# KiCad board traffic_paradise.kicad_pcb (continued)
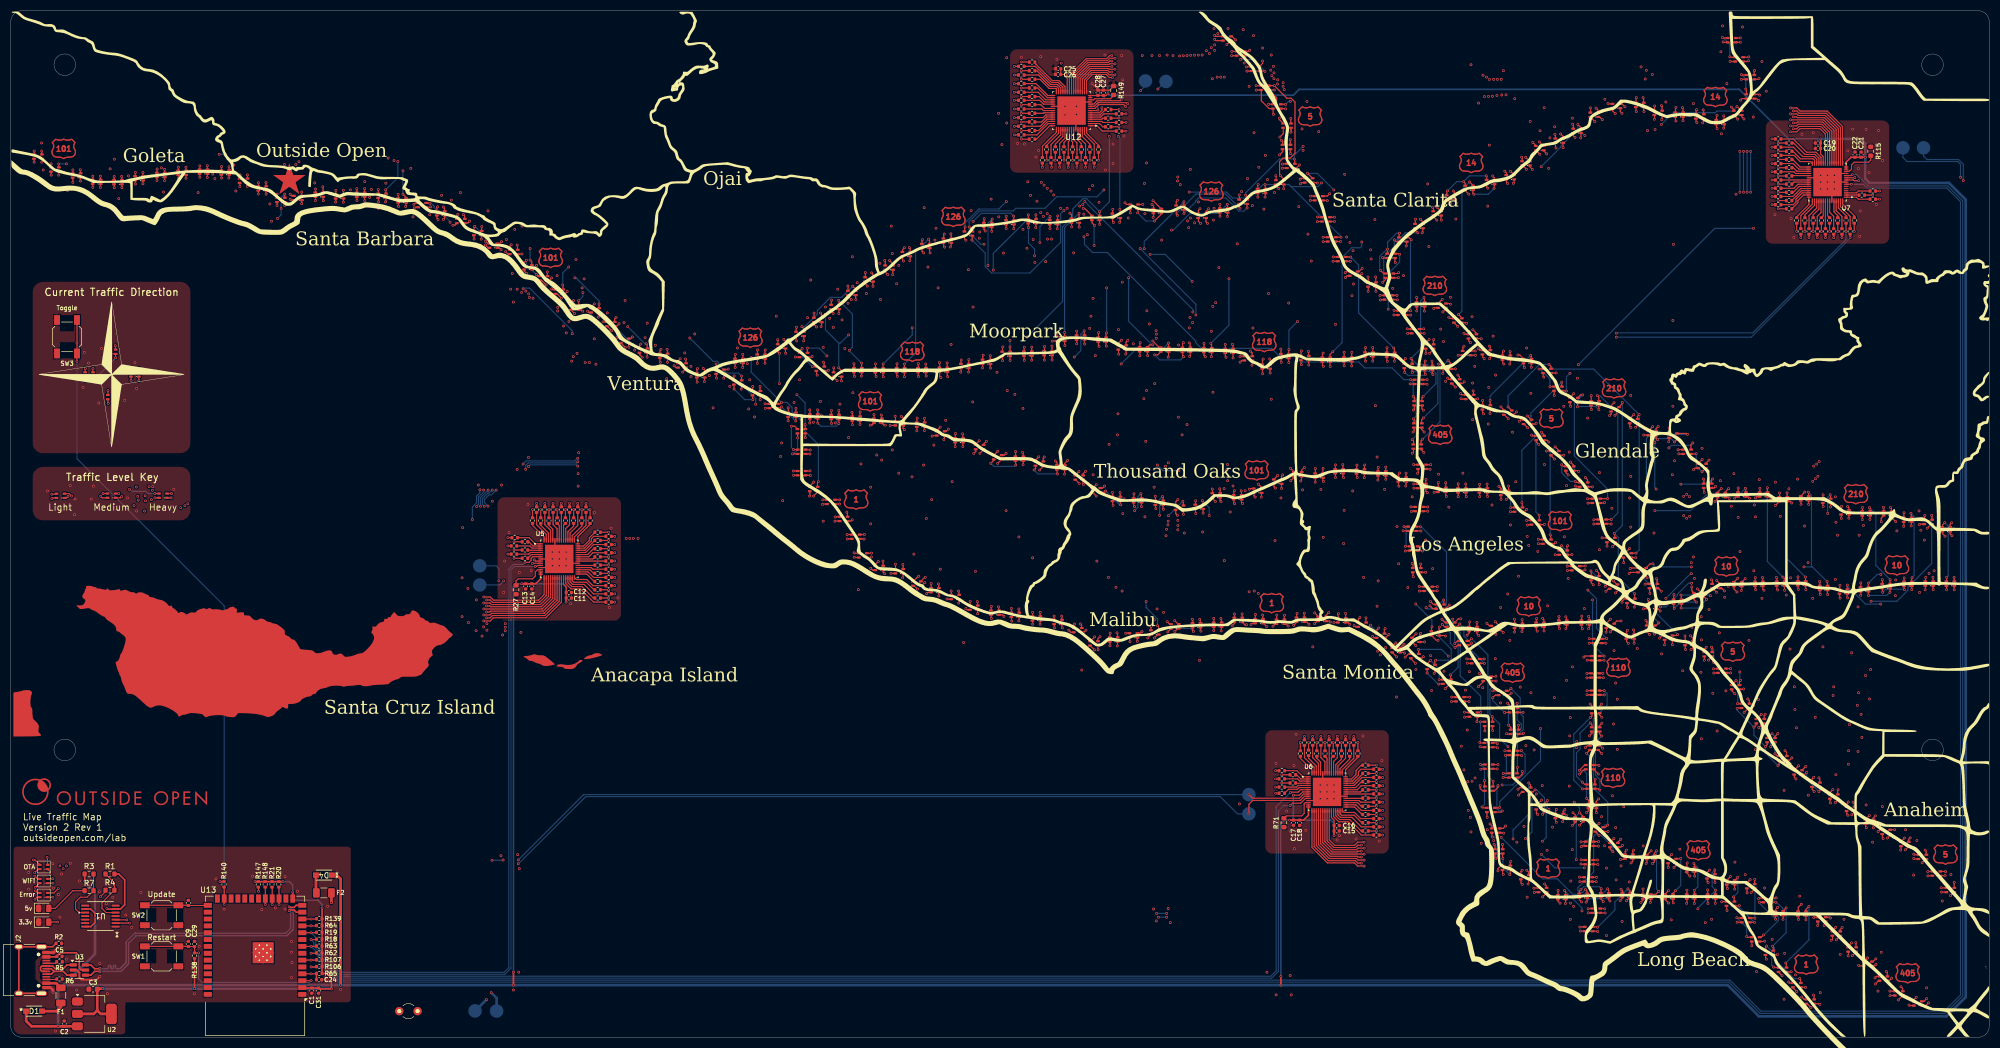
[diagram p0: board, top side]
## Routing (per net, layer and track width the routed paths; a pad name or vN(x,y) marks a point on that pad's centre or on a via; arc(x,y) is an arc through that point) (continued)
Net-(LED73-GK): length 138.4
  Top w0.203: 186.14,106.84 186.14,106.08 v1(186.18,106.05) ; v1(181.55,106.38) 182.13,106.95 182.13,107.1 ; 163.89,113.4 162.92,113.4 v1(162.9,113.38) ; v1(167.85,112.4) 167.85,112.4 167.85,113.14 ; v1(193.9,104.4) 193.81,104.49 193.81,105.22 ; v1(189.58,105.15) 189.85,105.43 189.85,105.93 ; v1(174.95,109.48) 174.97,109.49 174.97,110.25 ; 178.78,108.98 178.78,108.58 v1(178.4,108.2) ; v1(170.68,111.43) 170.77,111.52 171.56,111.52 ; R35.2 v1(105.79,97.79)
  In1.Cu w0.203: v1(174.95,109.48) 176.23,108.2 v1(178.4,108.2) 180.23,106.38 v1(181.55,106.38) ; v1(170.68,111.43) 168.83,111.43 v1(167.85,112.4) 167.48,112.03 164.25,112.03 v1(162.9,113.38)
  In2.Cu w0.203: v1(170.68,111.43) 172.62,109.48 v1(174.95,109.48) ; v1(105.79,97.79) 105.79,99.06 103.8,101.05 103.8,124.45 106.33,126.98 110.43,126.98 118.38,119.03 132.45,119.03 138.74,112.74 162.27,112.74 v1(162.9,113.38) ; v1(189.58,105.15) 187.08,105.15 v1(186.18,106.05)
  Bottom w0.203: v1(189.58,105.15) 190.33,104.4 v1(193.9,104.4) ; v1(181.55,106.38) 182.12,105.8 185.93,105.8 v1(186.18,106.05)
Net-(LED73-RK): length 138.3
  Top w0.203: 165.29,113.4 165.29,112.83 v1(165.53,112.6) ; 176.37,110.25 176.37,109.48 v1(176.38,109.48) ; 195.21,105.22 195.21,104.39 v1(195.2,104.38) ; v1(187.53,106.1) 187.54,106.12 187.54,106.84 ; v1(182.83,106.38) 183.53,107.08 183.53,107.1 ; v1(190.6,105.12) 191.25,105.78 191.25,105.93 ; v1(169.25,112.45) 169.25,112.45 169.25,113.14 ; v1(172.85,110.78) 172.96,110.89 172.96,111.52 ; R34.2 v1(107.32,97.79) ; 180.18,108.98 180.18,108.88 v1(179.53,108.23)
  In1.Cu w0.203: v1(179.53,108.23) 180.98,108.23 v1(182.83,106.38) ; v1(172.85,110.78) 171.18,112.45 v1(169.25,112.45) 168.76,112.94 165.86,112.94 v1(165.53,112.6)
  In2.Cu w0.203: v1(172.85,110.78) 175.08,110.78 v1(176.38,109.48) 178.28,109.48 v1(179.53,108.23) ; v1(195.2,104.38) 194.45,105.12 v1(190.6,105.12) 189.62,106.1 v1(187.53,106.1) 187.03,106.6 183.05,106.6 v1(182.83,106.38) ; v1(165.53,112.6) 164.94,112.01 138.44,112.01 132.15,118.3 118.08,118.3 110.13,126.25 106.8,126.25 104.52,123.97 104.52,101.69 107.32,98.9 v1(107.32,97.79)
Net-(LED82-BK): length 96.5
  Top w0.203: v1(177.73,80.78) 177.71,80.76 177.71,80.01 ; v1(185.35,79.48) 185.38,79.45 185.38,78.69 ; v1(189.28,78.75) 189.29,78.73 189.29,78.03 ; v1(168.2,85.45) 168.12,85.45 167.14,84.48 ; 163.89,86.76 163.89,87.66 v1(163.88,87.68) ; v1(181.65,79.85) 181.62,79.82 181.62,79.09 ; 170.5,83.26 170.5,84.1 v1(170.5,84.1) ; 193.31,77.37 193.31,78.02 v1(193.28,78.05) ; 111.25,91.32 v1(111.89,91.32) ; v1(174.2,82.7) 174.25,82.65 174.25,81.99
  In1.Cu w0.203: v1(163.88,87.68) 164.96,86.59 167.06,86.59 v1(168.2,85.45) 168.52,85.77 169.69,85.77 170.5,84.96 v1(170.5,84.1) ; v1(174.2,82.7) 176.12,80.78 v1(177.73,80.78) ; v1(181.65,79.85) 182.28,79.22 185.09,79.22 v1(185.35,79.48) 186.08,78.75 v1(189.28,78.75)
  In2.Cu w0.203: v1(111.89,91.32) 112.48,90.72 161.33,90.72 163.88,88.18 v1(163.88,87.68) ; v1(181.65,79.85) 178.65,79.85 v1(177.73,80.78) ; v1(170.5,84.1) 171.9,82.7 v1(174.2,82.7) ; v1(189.28,78.75) 189.31,78.75 190,78.05 v1(193.28,78.05)
Net-(LED82-GK): length 99.1
  Top w0.203: v1(185.43,77.12) 185.38,77.17 185.38,77.89 ; 167.14,83.68 167.35,83.68 v1(167.95,83.08) ; 170.5,82.46 169.91,82.46 v1(169.68,82.23) ; 174.25,81.19 173.46,81.19 v1(173.43,81.23) ; 189.29,77.23 189.29,76.58 v1(189.3,76.58) ; 193.31,76.57 193.31,75.92 v1(193.35,75.88) ; 163.89,85.96 163.06,85.96 v1(163.05,85.98) ; 181.62,78.29 181.62,77.65 v1(181.65,77.62) ; R38.2 v1(110.74,90.56) ; v1(176.93,79.45) 177.17,79.21 177.71,79.21
  In1.Cu w0.203: v1(169.68,82.23) 168.83,83.08 v1(167.95,83.08) 165.95,83.08 v1(163.05,85.98) ; v1(176.93,79.45) 175.2,79.45 v1(173.43,81.23)
  In2.Cu w0.203: v1(169.68,82.23) 170.68,81.23 v1(173.43,81.23) ; v1(176.93,79.45) 178.75,77.62 v1(181.65,77.62) 182.15,77.12 v1(185.43,77.12) 185.98,76.58 v1(189.3,76.58) 190,75.88 v1(193.35,75.88) ; v1(163.05,85.98) 163.05,88.49 161.18,90.36 112.14,90.36 111.95,90.56 v1(110.74,90.56)
Net-(LED82-RK): length 96.7
  Top w0.203: 186.78,77.89 186.78,77.21 v1(186.75,77.18) ; v1(171.93,81.78) 171.9,81.8 171.9,82.46 ; 190.69,77.23 190.69,76.57 v1(190.68,76.55) ; 175.66,81.19 175.66,80.53 v1(175.6,80.48) ; v1(165.2,85.15) 165.29,85.24 165.29,85.96 ; 168.54,83.68 168.75,83.68 v1(169.33,84.25) ; v1(179.1,78.5) 179.11,78.51 179.11,79.21 ; 111.25,89.79 v1(111.89,89.79) ; v1(194.8,75.88) 194.71,75.97 194.71,76.57 ; 183.02,78.29 183.68,78.29 v1(183.98,78)
  In1.Cu w0.203: v1(183.98,78) 185.93,78 v1(186.75,77.18) ; v1(165.2,85.15) 166.1,84.25 v1(169.33,84.25) 169.45,84.25 v1(171.93,81.78) 174.3,81.78 v1(175.6,80.48) 176,80.07 177.53,80.07 v1(179.1,78.5)
  In2.Cu w0.203: v1(186.75,77.18) 189.85,77.18 190.47,76.55 v1(190.68,76.55) 194.12,76.55 v1(194.8,75.88) ; v1(165.2,85.15) 160.35,85.15 157.05,88.45 155.8,88.45 154.25,90 112.09,90 v1(111.89,89.79) ; v1(183.98,78) 183.48,78.5 v1(179.1,78.5)
Net-(LED91-BK): length 92.8
  Top w0.203: 228.56,126.24 227.79,126.24 v1(227.7,126.15) ; 225,127.61 225,128.37 v1(224.98,128.4) ; v1(211.56,129.05) 212.75,127.86 213.07,127.86 ; 217.08,127.81 217.08,128.58 v1(217.23,128.72) ; v1(232,125.7) 231.86,125.56 231.86,124.71 ; v1(239.08,127.2) 239.03,127.15 239.03,126.29 ; v1(221.05,128.6) 221.04,128.59 221.04,127.76 ; v1(235.28,127.55) 235.32,127.51 235.32,126.64 ; 209.16,127.91 209.16,128.68 v1(209.23,128.75) ; R167.2 v1(194.3,161.25)
  In1.Cu w0.203: 211.5,128.99 211.26,128.75 v1(209.23,128.75) ; 211.5,128.99 213.93,128.99 214.12,129.18 216.77,129.18 v1(217.23,128.72) ; 211.5,128.99 v1(211.56,129.05) ; v1(235.28,127.55) 233.85,127.55 v1(232,125.7) ; v1(194.47,153.65) 194.47,153.1 194.73,152.84 194.73,150.25 196.06,148.91 199.25,148.91 v1(199.42,148.75)
  In2.Cu w0.203: 224.98,128.05 221.6,128.05 v1(221.05,128.6) 220.59,128.14 217.81,128.14 v1(217.23,128.72) ; 224.98,128.05 225.8,128.05 v1(227.7,126.15) 231.55,126.15 v1(232,125.7) ; 224.98,128.05 v1(224.98,128.4) ; v1(199.42,148.75) 199.71,148.45 210.53,148.45 212.34,146.64 212.34,131.87 211.41,130.94 211.41,129.2 v1(211.56,129.05) ; v1(194.3,161.25) 195.61,159.94 195.61,154.97 194.47,153.83 v1(194.47,153.65) ; v1(235.28,127.55) 235.89,126.94 238.81,126.94 v1(239.08,127.2)
Net-(LED91-GK): length 102.4
  Top w0.203: v1(227.73,125.12) 228.04,125.44 228.56,125.44 ; v1(217.25,126.12) 217.08,126.3 217.08,127.01 ; v1(209.15,126.3) 209.16,126.3 209.16,127.11 ; 231.86,123.91 231.86,123.04 v1(231.93,122.98) ; v1(211.9,126.48) 212.48,126.48 213.07,127.06 ; v1(225.12,126.03) 225,126.15 225,126.81 ; v1(239.08,124.65) 239.03,124.7 239.03,125.49 ; 235.32,125.84 235.32,125.13 v1(235.35,125.1) ; 221.04,126.96 221.04,126.36 v1(221.28,126.12) ; R166.2 v1(193.5,162.55)
  In1.Cu w0.203: v1(211.9,126.48) 211.49,126.89 209.74,126.89 v1(209.15,126.3) ; v1(192.8,147.94) 191.8,148.94 191.8,152.45 v1(192,152.65) ; v1(239.08,124.65) 238.93,124.5 235.95,124.5 v1(235.35,125.1) 234.05,125.1 v1(231.93,122.98) 229.88,122.98 v1(227.73,125.12) 226.03,125.12 v1(225.12,126.03) 224.69,125.59 221.81,125.59 v1(221.28,126.12) 220.81,125.66 217.72,125.66 v1(217.25,126.12)
  In2.Cu w0.203: v1(192,152.65) 192,152.86 193.09,153.95 194,153.95 195.25,155.2 195.25,159.58 193.5,161.33 v1(193.5,162.55) ; v1(192.8,147.94) 192.89,147.85 210.62,147.85 211.98,146.49 211.98,132.02 211.05,131.09 211.05,127.33 v1(211.9,126.48)
  Bottom w0.203: v1(211.9,126.48) 212.84,125.54 216.66,125.54 v1(217.25,126.12)
Net-(LED91-RK): length 100.1
  Top w0.203: v1(226.43,125.9) 226.4,125.92 226.4,126.81 ; v1(214.4,126.05) 214.47,126.12 214.47,127.06 ; 218.48,127.01 218.48,126.3 v1(218.38,126.2) ; v1(229.93,124.55) 229.96,124.59 229.96,125.44 ; v1(210.6,126.33) 210.56,126.37 210.56,127.11 ; 192.8,162.03 v1(192.8,161.25) ; v1(236.75,125.05) 236.72,125.08 236.72,125.84 ; 233.26,123.91 233.26,123.14 v1(233.3,123.1) ; v1(222.4,126.15) 222.44,126.19 222.44,126.96 ; 240.43,125.49 240.43,124.62 v1(240.45,124.6)
  In1.Cu w0.203: v1(191.29,152.15) 191.44,152 191.44,148.56 v1(192.06,147.94) ; v1(210.6,126.33) 210.96,125.96 214.31,125.96 v1(214.4,126.05) 215.02,126.67 217.91,126.67 v1(218.38,126.2) 218.81,126.64 221.91,126.64 v1(222.4,126.15) 222.81,126.56 225.77,126.56 v1(226.43,125.9) 227.19,126.66 227.91,126.66 229.93,124.65 v1(229.93,124.55)
  In2.Cu w0.203: v1(210.6,126.33) 210.6,131.15 211.62,132.17 211.62,146.34 210.6,147.35 193.09,147.35 193.01,147.43 192.57,147.43 v1(192.06,147.94) ; v1(240.45,124.6) 239.84,125.21 236.91,125.21 v1(236.75,125.05) 234.8,123.1 v1(233.3,123.1) 231.85,124.55 v1(229.93,124.55) ; v1(192.8,161.25) 194.88,159.17 194.88,155.35 193.89,154.35 192.98,154.35 191.29,152.66 v1(191.29,152.15)
Net-(LED100-BK): length 137.9
  Top w0.203: 222.62,100.84 222.62,101.56 v1(222.58,101.6) ; v1(197.88,104.88) 197.22,104.22 197.22,104.14 ; v1(204.08,100.98) 204.13,100.92 204.13,100.18 ; v1(201.08,102.4) 200.48,101.8 200.42,101.8 ; 212.05,99.46 212.05,100.25 v1(212.03,100.28) ; 226.58,100.48 226.58,101.2 v1(226.68,101.3) ; 219.47,98.7 219.47,99.39 v1(219.5,99.43) ; v1(216.2,99.65) 215.81,99.26 215.81,98.55 ; R42.2 v1(110.74,93.6) ; 208.04,99.92 208.04,100.69 v1(208.08,100.73)
  In1.Cu w0.203: v1(216.2,99.65) 215.83,99.28 212.89,99.28 212.03,100.15 v1(212.03,100.28) 211.94,100.19 208.61,100.19 v1(208.08,100.73) 207.76,100.41 204.64,100.41 v1(204.08,100.98) 204.08,101.51 202.9,102.68 201.36,102.68 v1(201.08,102.4) ; v1(219.5,99.43) 221.68,101.6 v1(222.58,101.6) 223.18,102.21 225.65,102.21 226.56,101.3 v1(226.68,101.3)
  In2.Cu w0.203: 197.41,103.16 197.41,102.17 187.06,91.81 113.64,91.81 111.85,93.6 v1(110.74,93.6) ; 197.41,103.16 197.41,104.41 v1(197.88,104.88) ; 197.41,103.16 197.41,103.16 200.31,103.16 v1(201.08,102.4) ; v1(216.2,99.65) 216.42,99.87 219.05,99.87 v1(219.5,99.43)
Net-(LED100-GK): length 133.9
  Top w0.203: v1(201.08,100.3) 200.42,100.96 200.42,101 ; 219.47,97.9 219.47,97.13 v1(219.53,97.08) ; 197.22,103.34 197.24,103.34 v1(197.93,102.65) ; 215.81,97.75 215.81,97.04 v1(216.1,96.75) ; 226.58,99.68 226.58,99.02 v1(226.73,98.88) ; 212.05,98.66 212.05,98.05 v1(212.12,97.98) ; 204.13,99.38 204.13,98.65 v1(204.2,98.58) ; v1(223.15,99.3) 222.62,99.83 222.62,100.04 ; 208.04,99.12 208.04,98.46 v1(208.18,98.33) ; 111.25,92.84 v1(111.89,92.84)
  In1.Cu w0.203: v1(226.73,98.88) 225.81,99.79 223.64,99.79 v1(223.15,99.3) 222.79,98.94 221.9,98.94 220.04,97.08 v1(219.53,97.08) ; v1(212.12,97.98) 212.84,97.26 215.59,97.26 v1(216.1,96.75) ; v1(197.93,102.65) 197.93,102.47 200.09,100.3 v1(201.08,100.3)
  In2.Cu w0.203: v1(197.93,102.65) 197.93,102.16 187.21,91.45 113.28,91.45 v1(111.89,92.84) ; v1(219.53,97.08) 218.81,96.37 216.48,96.37 v1(216.1,96.75) ; v1(212.12,97.98) 211.96,97.81 208.69,97.81 v1(208.18,98.33) 208,98.15 204.62,98.15 v1(204.2,98.58) 202.8,98.58 v1(201.08,100.3)
Net-(LED100-RK): length 136.3
  Top w0.203: v1(205.62,98.68) 205.53,98.77 205.53,99.38 ; v1(202.83,101.25) 202.58,101 201.82,101 ; 213.45,98.66 213.45,97.92 v1(213.53,97.85) ; v1(228.2,98.93) 227.98,99.15 227.98,99.68 ; v1(220.88,97.12) 220.87,97.13 220.87,97.9 ; 217.21,97.75 217.21,96.94 v1(217.23,96.93) ; v1(224.2,99.28) 224.02,99.46 224.02,100.04 ; v1(198.7,102.43) 198.62,102.51 198.62,103.34 ; R40.2 v1(110.74,92.08) ; 209.44,99.12 209.44,98.36 v1(209.45,98.35)
  In1.Cu w0.203: v1(228.2,98.93) 227.63,98.35 225.12,98.35 v1(224.2,99.28) 223.86,99.28 221.71,97.12 v1(220.88,97.12) 220.3,96.55 217.6,96.55 v1(217.23,96.93) 216.3,97.85 v1(213.53,97.85) 212.85,98.53 209.63,98.53 v1(209.45,98.35) 208.96,98.84 205.79,98.84 v1(205.62,98.68)
  In2.Cu w0.203: v1(110.74,92.08) 111.95,92.08 112.94,91.09 187.36,91.09 v1(198.7,102.43) 199.88,101.25 v1(202.83,101.25)
  Bottom w0.203: v1(205.62,98.68) 205.4,98.68 v1(202.83,101.25)
Net-(LED109-BK): length 332.3
  Top w0.203: 211.24,75.44 211.24,76.14 v1(211.25,76.15) ; v1(222.85,77.62) 222.87,77.6 222.87,76.86 ; 5.4,29.35 4.95,29.35 v1(4.46,29.84) ; R45.2 v1(110.74,84.46) ; 203.62,74.12 203.62,74.87 v1(203.65,74.9) ; 206.53,74.9 v1(206.55,74.88) 207.28,74.88 ; v1(200.78,74.2) 199.98,73.4 199.96,73.4 ; v1(214.23,77.03) 214.7,76.55 214.95,76.55 ; v1(218.88,77.48) 218.96,77.39 218.96,76.76 ; 196.96,75.84 196.96,76.49 v1(197.05,76.58)
  In1.Cu w0.203: 203.65,74.41 202.89,73.65 201.32,73.65 v1(200.78,74.2) 200.78,74.59 199.28,76.08 197.55,76.08 v1(197.05,76.58) ; 203.65,74.41 v1(203.65,74.9) ; 203.65,74.41 206.09,74.41 v1(206.55,74.88) ; v1(91.6,76.65) 91.54,76.65 91.3,76.41 88.43,76.41 v1(88.2,76.65) ; v1(222.85,77.62) 222.15,76.92 219.43,76.92 v1(218.88,77.48) 218.05,76.65 214.6,76.65 v1(214.23,77.03) 212.92,75.72 211.68,75.72 v1(211.25,76.15) ; v1(4.46,29.84) 4.79,29.84 6.2,31.25 8.6,31.25 v1(9.1,31.75)
  In2.Cu w0.203: v1(91.6,76.65) 102.94,76.65 v1(110.74,84.46) 112.26,84.46 116.35,88.55 153.65,88.55 155.2,87 156.45,87 159.9,83.55 165.7,83.55 169.8,79.45 174.8,79.45 178.89,75.36 195.11,75.36 196.33,76.58 v1(197.05,76.58) ; v1(206.55,74.88) 207.82,76.15 v1(211.25,76.15) ; v1(88.2,76.65) 87.23,76.65 84.16,79.72 84.16,83.45 85.37,84.65 85.37,95.31 84.13,96.54 22.71,96.54 20.94,98.31 11.03,98.31 5.69,92.97 5.69,35.76 9.1,32.35 v1(9.1,31.75)
Net-(LED109-GK): length 332.2
  Top w0.203: 211.24,74.64 211.24,74.61 v1(210.62,74) ; v1(200.75,71.8) 199.96,72.59 199.96,72.6 ; v1(219.08,75.23) 218.96,75.34 218.96,75.96 ; v1(4.55,27.8) 5.3,28.55 5.4,28.55 ; 214.95,75.75 214.95,75.75 v1(214.33,75.12) ; 207.28,74.08 207.28,73.35 v1(207.33,73.3) ; 196.96,75.04 196.41,75.04 v1(196,75.45) ; 222.87,76.06 222.87,75.4 v1(222.85,75.38) ; v1(203.62,72.55) 203.62,72.56 203.62,73.31 ; 111.25,83.7 v1(111.89,83.7)
  In1.Cu w0.203: v1(214.33,75.12) 211.75,75.12 v1(210.62,74) 208.03,74 v1(207.33,73.3) ; v1(4.55,27.8) 4.55,28.18 7.22,30.85 9.3,30.85 v1(9.7,31.25) ; v1(222.85,75.38) 222.23,74.75 219.55,74.75 v1(219.08,75.23) ; v1(87.6,76.05) 91.54,76.05 v1(91.6,75.99) ; v1(200.75,71.8) 197.1,75.45 v1(196,75.45)
  In2.Cu w0.203: v1(200.75,71.8) 200.75,71.88 201.42,72.55 v1(203.62,72.55) 204.38,73.3 v1(207.33,73.3) ; v1(87.6,76.05) 87.32,76.05 83.8,79.57 83.8,83.6 85,84.8 85,95.16 83.98,96.18 22.47,96.18 20.7,97.95 11.18,97.95 6.05,92.82 6.05,36 9.7,32.35 v1(9.7,31.25) ; v1(196,75.45) 195.55,75 178.74,75 174.65,79.09 169.65,79.09 165.55,83.19 159.75,83.19 156.3,86.63 155.05,86.63 153.5,88.18 116.75,88.18 112.26,83.7 v1(111.89,83.7) 110.5,83.7 103.09,76.29 91.96,76.29 91.66,75.99 v1(91.6,75.99)
  Bottom w0.203: v1(214.33,75.12) 214.95,75.75 218.55,75.75 v1(219.08,75.23)
Net-(LED109-RK): length 332.4
  Top w0.203: 198.36,75.04 198.77,75.04 v1(199.18,75.45) ; 205.02,73.31 205.02,72.57 v1(204.98,72.53) ; v1(201.43,71.8) 201.36,71.87 201.36,72.6 ; 6.8,28.55 v1(7.83,28.55) ; v1(220.48,75.28) 220.36,75.39 220.36,75.96 ; v1(211.85,74) 212.49,74.64 212.64,74.64 ; v1(208.7,73.38) 208.68,73.4 208.68,74.08 ; 216.35,75.75 216.18,75.75 v1(215.65,75.23) ; R43.2 v1(110.74,82.94) ; v1(224.23,75.33) 224.27,75.37 224.27,76.06
  In1.Cu w0.203: v1(199.18,75.45) 199.18,74.21 201.43,71.96 v1(201.43,71.8) 204.25,71.8 v1(204.98,72.53) ; v1(7.83,28.55) 8.8,28.55 10.3,30.05 v1(10.3,31.75) ; v1(208.7,73.38) 211.23,73.38 v1(211.85,74) 214.43,74 v1(215.65,75.23) 216.21,75.78 219.97,75.78 v1(220.48,75.28) 221.11,75.91 223.64,75.91 v1(224.23,75.33) ; v1(88.2,75.45) 88.44,75.69 91.18,75.69 91.54,75.33 v1(91.6,75.33)
  In2.Cu w0.203: v1(204.98,72.53) 207.85,72.53 v1(208.7,73.38) ; v1(88.2,75.45) 87.4,75.45 83.44,79.42 83.44,83.75 84.64,84.95 84.64,95.01 83.83,95.82 22.23,95.82 20.46,97.59 11.33,97.59 6.42,92.67 6.42,36.23 10.3,32.35 v1(10.3,31.75) ; v1(199.18,75.45) 196.8,75.45 195.99,74.64 178.59,74.64 174.5,78.72 169.5,78.72 165.4,82.82 159.6,82.82 156.15,86.27 154.9,86.27 153.35,87.82 116.9,87.82 112.02,82.94 v1(110.74,82.94) 110.25,82.94 103.24,75.92 92.26,75.92 91.66,75.33 v1(91.6,75.33)
Net-(LED117-BK): length 142.3
  Top w0.203: 263.2,75.25 263.2,76 v1(263.27,76.08) ; 292.8,67.45 292,67.45 v1(291.98,67.43) ; v1(226.68,78.45) 226.7,78.43 226.7,77.75 ; v1(291.93,44.25) 292.3,43.88 292.3,43.25 ; 291.8,50.45 291.56,50.45 v1(290.58,49.46) ; R92.2 v1(254.13,48.14)
  In1.Cu w0.203: v1(291.98,67.43) 290.53,65.98 290.53,56.63 290.6,56.56 290.6,49.49 v1(290.58,49.46)
  In2.Cu w0.203: v1(291.98,67.43) 291.98,68.12 288.55,71.55 269.82,71.55 267.58,73.79 265.56,73.79 v1(263.27,76.08) ; v1(226.68,78.45) 228.63,80.4 260.17,80.4 v1(260.26,80.31) ; v1(254.13,48.14) 256.52,45.74 277.24,45.74 280.96,49.46 v1(290.58,49.46)
  Bottom w0.203: v1(290.58,49.46) 291.39,49.46 291.93,48.92 v1(291.93,44.25) ; v1(260.26,80.31) 263.27,77.29 v1(263.27,76.08)
Net-(LED117-GK): length 147.6
  Top w0.203: v1(264.4,73.55) 264.1,73.55 263.2,74.45 ; 251.46,47.38 v1(252.98,47.38) ; v1(290.6,48.76) 291.49,49.65 291.8,49.65 ; 292.8,66.65 292.02,66.65 v1(291.98,66.6) ; v1(291.93,41.65) 292.3,42.03 292.3,42.45 ; v1(226.25,76.25) 226.7,76.7 226.7,76.95
  In1.Cu w0.203: v1(291.93,41.65) 292.45,42.18 292.45,48.02 291.12,49.35 ; 291.12,49.35 291.12,49.28 v1(290.6,48.76) ; 291.12,49.35 291.12,56.56 290.89,56.78 290.89,65.52 v1(291.98,66.6) ; v1(253.1,79.89) 258.74,74.25 263.7,74.25 v1(264.4,73.55)
  In2.Cu w0.203: v1(291.98,66.6) 291.46,67.11 291.46,68.12 288.4,71.19 266.76,71.19 v1(264.4,73.55) ; v1(252.98,47.38) 254.09,47.38 256.08,45.38 277.39,45.38 280.76,48.75 290.59,48.75 v1(290.6,48.76) ; v1(226.25,76.25) 227.12,76.25 230.75,79.89 v1(253.1,79.89)
Net-(LED117-RK): length 158.5
  Top w0.203: 293.7,42.45 293.7,41.7 v1(293.75,41.65) ; v1(295.02,66.62) 295,66.65 294.2,66.65 ; 293.2,49.65 293.22,49.65 v1(294.09,48.78) ; 264.6,74.45 265.7,74.45 v1(265.8,74.35) ; v1(228.9,76.45) 228.6,76.45 228.1,76.95 ; R90.2 v1(254.13,46.61)
  In1.Cu w0.203: v1(265.8,74.35) 265.8,74.23 264.52,72.95 264.28,72.95 263.44,73.79 259.94,73.79 259.3,73.15 259.3,72.05 259.99,71.36 261.69,71.36 262.34,70.71 262.34,70.19 260.94,68.79 257.54,68.79 255.7,70.63 255.7,71.96 254.51,73.15 253.9,73.15 253.5,73.55 249.4,73.55 247.5,75.45 247.48,75.43 229.92,75.43 v1(228.9,76.45) ; v1(293.75,41.65) 292.98,42.42 292.98,48.03 293.29,48.34 293.64,48.34 v1(294.09,48.78) 294.74,49.43 294.74,50.65 293.75,51.64 293.75,65.36 v1(295.02,66.62)
  In2.Cu w0.203: v1(295.02,66.62) 293.99,66.62 288.66,71.96 270.19,71.96 267.8,74.35 v1(265.8,74.35) ; v1(294.09,48.78) 292.33,48.78 291.8,48.25 280.78,48.25 277.54,45.02 255.71,45.02 254.13,46.6 v1(254.13,46.61)
Net-(LED118-BK): length 130.4
  Top w0.203: v1(235.38,166.25) 235.62,166 235.62,165.4 ; 239.74,159.2 239,159.2 v1(238.85,159.05) ; 229.88,179.88 228.93,179.88 v1(228.9,179.85) ; v1(235,170.35) 235,170.09 235.72,169.36 ; R173.2 v1(187.2,169.65) ; 236.43,161.9 235.65,161.9 v1(235.6,161.85) ; v1(223,185.7) 223.18,185.52 224.6,185.52 ; 231.66,176.38 230.7,176.38 v1(230.7,176.38) ; v1(233.03,172.93) 233.03,172.92 233.84,172.92 ; 227.14,182.73 v1(226.2,182.73)
  In1.Cu w0.203: v1(233.03,172.93) 234.2,172.93 234.54,173.26 236.74,175.46 236.74,178.1 234.25,180.59 232.26,180.59 231.52,179.85 v1(228.9,179.85) 228.48,179.85 226.66,181.66 226.66,182.26 v1(226.2,182.73) 225.8,182.73 224.07,184.45 224.07,184.63 v1(223,185.7) ; v1(235.6,161.85) 236.05,161.85 v1(238.85,159.05) ; v1(235,170.35) 235.67,169.68 235.67,166.55 v1(235.38,166.25)
  In2.Cu w0.203: v1(223,185.7) 221.05,187.65 177.61,187.65 174.12,184.16 174.12,179.24 177.69,175.67 179.78,175.67 185.8,169.65 v1(187.2,169.65) ; v1(228.9,179.85) 228.95,179.85 230.7,178.1 v1(230.7,176.38) ; v1(235,170.35) 235,170.95 v1(233.03,172.93) ; v1(235.38,166.25) 235.55,166.08 235.55,161.9 v1(235.6,161.85)
Net-(LED118-GK): length 115.4
  Top w0.2: 233.84,172.12 233.11,172.12 231.66,173.57 231.66,175.58
  Top w0.203: v1(229,179.07) 229,179.08 229.88,179.08 ; R172.2 v1(185.9,170.45) ; v1(235.1,166.85) 235.72,167.47 235.72,168.56 ; v1(230.73,175.55) 230.75,175.58 231.66,175.58 ; 233.84,172.12 233.84,171.13 v1(233.93,171.05) ; 236.43,161.1 235.57,161.1 v1(235.55,161.07) ; 235.62,164.6 235.62,164.13 v1(235.04,163.55) ; 224.6,184.72 223.24,184.72 v1(223,184.96) ; v1(238.9,158.18) 239.13,158.4 239.74,158.4 ; 227.14,181.93 v1(226.15,181.93)
  In1.Cu w0.203: v1(235.1,166.85) 233.93,168.03 v1(233.93,171.05) ; v1(238.9,158.18) 236,161.07 v1(235.55,161.07) ; v1(229,179.07) 228.59,179.07 226.15,181.52 v1(226.15,181.93) 225.74,181.93 223,184.67 v1(223,184.96)
  In2.Cu w0.203: v1(235.55,161.07) 235.09,161.54 235.09,163.5 v1(235.04,163.55) 234.86,163.72 234.86,166.61 v1(235.1,166.85) ; v1(230.73,175.55) 230.19,176.09 230.19,177.89 v1(229,179.07) ; v1(223,184.96) 220.68,187.29 177.75,187.29 174.48,184.01 174.48,179.39 177.84,176.03 180.32,176.03 v1(185.9,170.45)
Net-(LED118-RK): length 121.8
  Top w0.2: 233.06,175.58 234.5,174.13 234.5,172.56 234.94,172.12 235.24,172.12
  Top w0.203: 241.14,158.4 241.94,158.4 v1(242.03,158.32) ; v1(237.1,163.78) 237.02,163.85 237.02,164.6 ; v1(238.73,161.68) 238.15,161.1 237.83,161.1 ; v1(236.18,172.07) 236.13,172.12 235.24,172.12 ; v1(232.33,179.03) 232.27,179.08 231.28,179.08 ; v1(225.26,183.99) 226,184.72 ; 228.54,181.93 228.53,181.93 v1(227.83,181.23) ; v1(237.15,167.75) 237.23,167.82 237.23,168.1 237.12,168.2 237.12,168.56 ; R171.2 v1(187.2,171.25) ; v1(234.08,175.57) 234.08,175.58 233.06,175.58
  In1.Cu w0.203: v1(227.83,181.23) 227.83,182.32 226.16,183.99 v1(225.26,183.99) 223.6,185.65 v1(223.6,186.03) ; v1(237.1,163.78) 237.59,163.78 238.73,162.64 v1(238.73,161.68)
  In2.Cu w0.203: v1(187.2,171.25) 185.8,171.25 180.66,176.39 178,176.39 174.84,179.54 174.84,183.86 177.91,186.92 220.32,186.92 222.79,184.45 223.21,184.45 223.6,184.84 v1(223.6,186.03) ; v1(238.73,161.68) 239.4,161.68 242.03,159.05 v1(242.03,158.32) ; v1(237.1,163.78) 237.64,164.31 237.64,167.26 v1(237.15,167.75) 237.64,168.24 237.64,170.61 v1(236.18,172.07) ; v1(234.08,175.57) 234.08,175.65 232.33,177.4 v1(232.33,179.03)
  Bottom w0.203: v1(232.33,179.03) 230.12,181.23 v1(227.83,181.23)
Net-(LED127-BK): length 157
  Top w0.203: 188.5,151.65 v1(188.5,152.43) ; 254.52,137.51 253.66,137.51 v1(253.65,137.5) ; 248.07,141.93 247.43,141.93 v1(247.2,141.7) ; 244,148.28 243.11,148.28 v1(243.1,148.28) ; 251.47,139.9 251.47,140.85 v1(251.43,140.9) ; v1(242.08,152.03) 242.11,151.99 242.94,151.99 ; 241.62,155.9 240.78,155.9 v1(240.78,155.9) ; R170.2 v1(191.1,161.25) ; v1(145.55,131.6) 145.5,131.55 145.5,130.75 ; 245.88,144.63 v1(244.98,144.63)
  In1.Cu w0.203: v1(191.1,161.25) 192.2,160.15 213.46,160.15 214.89,158.71 v1(216.15,158.71) ; v1(247.2,141.7) 247.2,142.4 v1(244.98,144.62) 244.98,146.4 v1(243.1,148.28) 243.1,151 v1(242.08,152.03) 242.08,154.6 v1(240.78,155.9)
  In2.Cu w0.203: v1(182,142.18) 178.2,138.38 160.63,138.38 154.47,132.22 146.17,132.22 v1(145.55,131.6) ; v1(191.1,161.25) 194.16,158.19 194.16,155.65 193.66,155.15 192.75,155.15 190.96,153.36 189.44,153.36 v1(188.5,152.43) ; v1(242.08,152.03) 234.33,152.03 231.9,154.46 231.56,154.46 227.3,158.71 v1(216.15,158.71) ; v1(253.65,137.5) 253.65,138.68 v1(251.43,140.9) 248,140.9 v1(247.2,141.7)
  Bottom w0.203: v1(182,142.18) 182,145.28 188.5,151.77 v1(188.5,152.43)
Net-(LED127-GK): length 171.9
  Top w0.203: v1(247.25,140.82) 247.56,141.13 248.07,141.13 ; 145.5,129.95 145.5,129.15 v1(145.6,129.05) ; 254.52,136.71 253.79,136.71 v1(253.73,136.65) ; v1(240.73,155.12) 240.75,155.1 241.62,155.1 ; R169.2 v1(191.9,162.55) ; 251.47,139.1 251.47,138.27 v1(251.45,138.25) ; 244,147.48 243.16,147.48 v1(243.12,147.45) ; v1(188.53,150.1) 188.5,150.12 188.5,150.85 ; v1(242.03,151.18) 242.04,151.19 242.94,151.19 ; 245.88,143.83 v1(244.95,143.83)
  In1.Cu w0.203: v1(253.73,136.65) 253.05,136.65 v1(251.45,138.25) 248.88,140.82 v1(247.25,140.82) 244.95,143.12 v1(244.95,143.82) 243.12,145.65 v1(243.12,147.45) 242.03,148.55 v1(242.03,151.18) 240.73,152.47 v1(240.73,155.12) ; v1(190.8,152.85) 190.8,152.39 188.53,150.11 v1(188.53,150.1) 187.59,151.04 183.31,151.04 182.11,152.24 181.56,152.24 180.54,151.21 179.96,151.21 178.61,149.86 178.61,147.58 171.53,140.5 171.11,140.5 160.23,129.61 146.16,129.61 v1(145.6,129.05)
  In2.Cu w0.203: v1(247.25,140.82) 246.51,140.09 v1(218.85,140.09) ; v1(211.05,145.11) 210.78,144.84 v1(189.65,144.84) ; v1(191.9,162.55) 191.9,161.35 194.52,158.73 194.52,155.5 193.77,154.75 192.86,154.75 190.96,152.85 v1(190.8,152.85)
  Bottom w0.203: v1(218.85,140.09) 213.82,145.11 v1(211.05,145.11) ; v1(189.65,144.84) 189.65,146.08 188.53,147.21 v1(188.53,150.1)
Net-(LED127-RK): length 180.6
  Top w0.203: 255.92,136.71 256.81,136.71 v1(256.85,136.68) ; v1(245.2,151.2) 245.19,151.19 244.34,151.19 ; 243.02,155.1 243.82,155.1 v1(243.88,155.05) ; 249.47,141.13 249.88,141.13 v1(250.28,141.53) ; v1(246.33,147.5) 246.31,147.48 245.4,147.48 ; v1(252.9,138.25) 252.87,138.28 252.87,139.1 ; 247.28,143.83 v1(248.15,143.83) ; R168.2 v1(187.2,166.45) ; 189.9,150.85 189.9,150.07 v1(189.88,150.05) ; 146.9,129.95 v1(146.9,129.07)
  In1.Cu w0.2: v1(189.4,147.85) 189.88,148.32 v1(189.88,150.05)
  In1.Cu w0.203: v1(146.9,129.07) 160.21,129.07 171.26,140.13 171.68,140.13 179.42,147.87 v1(179.42,148.1) ; v1(248.15,143.82) 247.71,144.27 247.71,146.12 v1(246.33,147.5) ; v1(187.2,166.45) 209.17,166.45 v1(216.19,159.43) ; v1(243.88,155.05) 244.2,154.72 244.2,152.2 v1(245.2,151.2) ; v1(256.85,136.68) 255.28,138.25 v1(252.9,138.25) 250.28,140.88 v1(250.28,141.53)
  In2.Cu w0.203: v1(189.88,150.05) 189.31,150.61 186.24,150.61 185.26,151.59 185.26,152.51 186.48,153.72 190.81,153.72 192.64,155.55 193.55,155.55 193.79,155.8 193.79,157.83 187.2,164.43 v1(187.2,166.45) ; v1(189.4,147.85) 189.39,147.86 179.66,147.86 v1(179.42,148.1) ; v1(216.19,159.43) 228.05,159.43 231.69,155.8 231.69,155.66 234.76,152.58 241.41,152.58 v1(243.88,155.05) ; v1(248.15,143.82) 248.15,143.65 v1(250.28,141.53) ; v1(246.33,147.5) 245.2,148.62 v1(245.2,151.2)